# Altium PCB LimeSDR-Micro_1v0.PcbDoc (part 1 of 8) (continued)
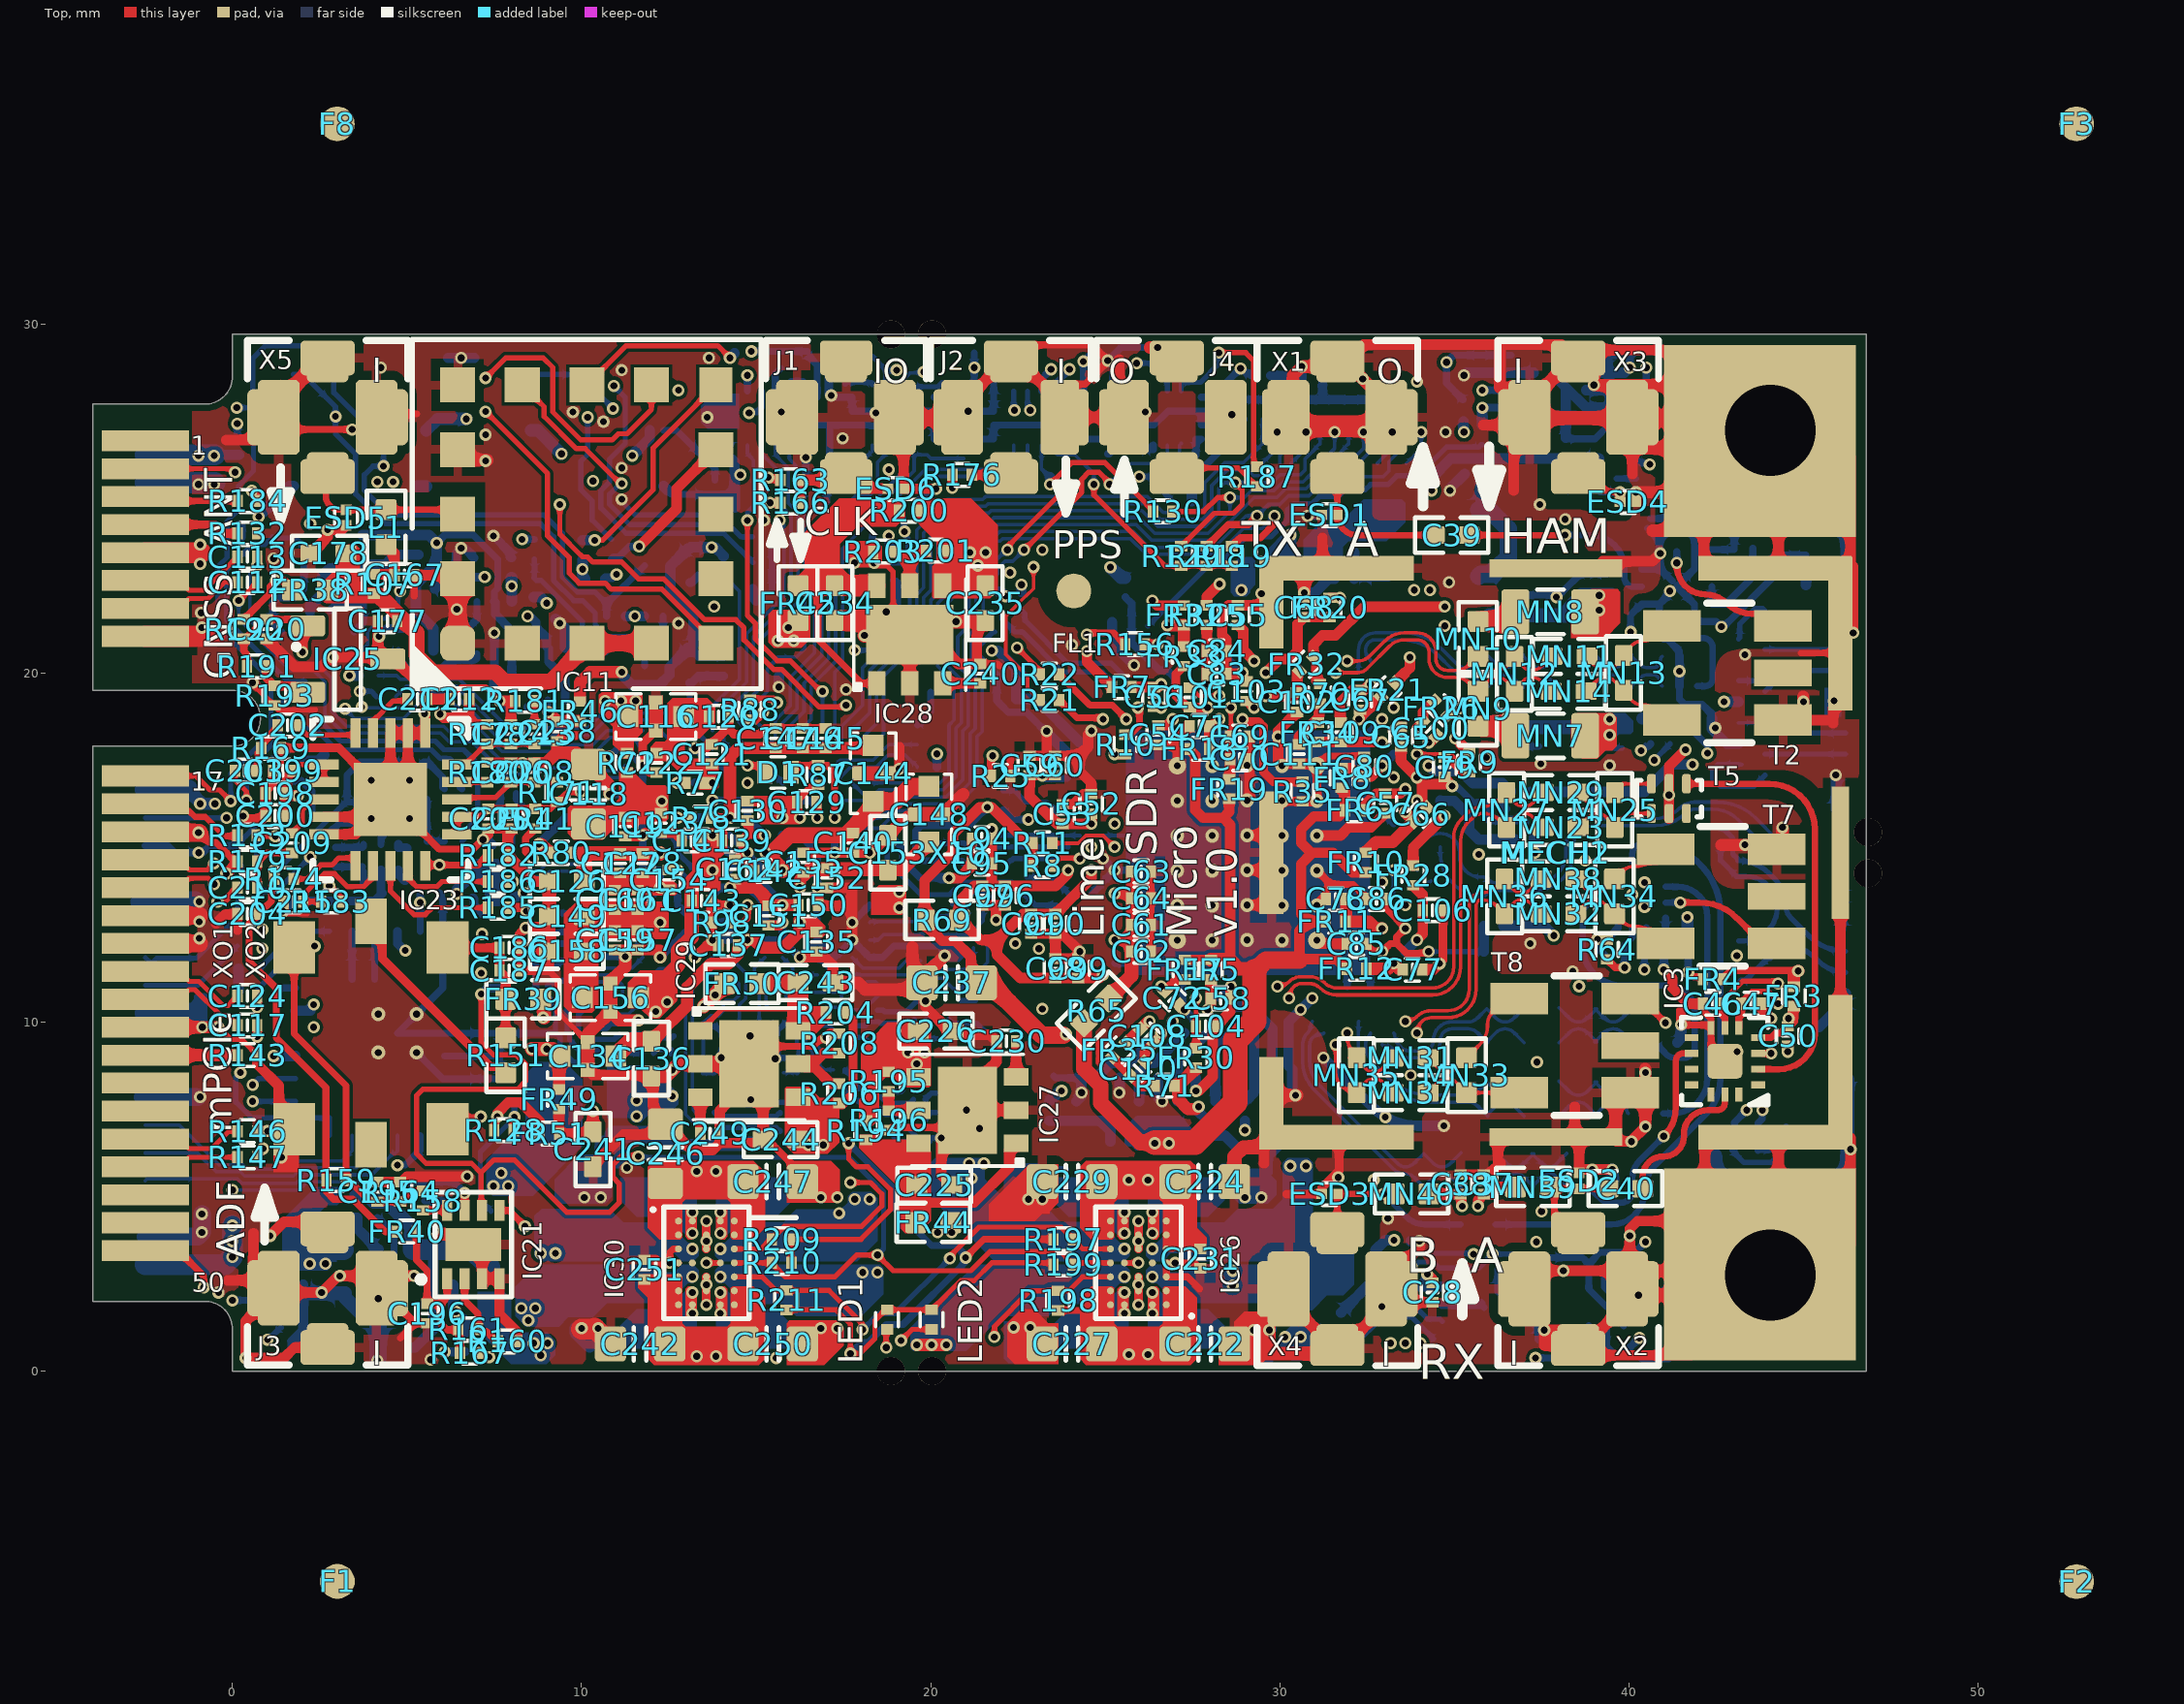
[diagram p0: Top view]
## Components (designator, comment, footprint, x,y, rotation, side; value= is the part's Value field where it differs from the comment) (continued)
C67 "1uF, 6.3V" CAP0201 32.3,19.225 r90 top value="1uF, 20%"
C68 "1uF, 6.3V" CAP0201 30.7,21.875 r90 top value="1uF, 20%"
C69 "1nF, 25V" CAP0201 28.855,18.18 r0 top
C70 "1uF, 6.3V" CAP0201 28.855,17.528 r0 top value="1uF, 20%"
C71 "1uF, 6.3V" CAP0201 27.7,18.475 r0 top value="1uF, 20%"
C72 "1uF, 6.3V" CAP0201 26.922,10.69 r315 top value="1uF, 20%"
C73 "1uF, 6.3V" CAP0201 24.595,8.4 r180 bottom value="1uF, 20%"
C74 "1uF, 6.3V" CAP0201 25.695,8.4 r180 bottom value="1uF, 20%"
C75 "1uF, 6.3V" CAP0201 26.795,8.4 r180 bottom value="1uF, 20%"
C76 "1uF, 6.3V" CAP0201 30.075,8.4 r0 bottom value="1uF, 20%"
C77 "1uF, 6.3V" CAP0201 33.8,11.5 r0 top value="1uF, 20%"
C78 "1uF, 6.3V" CAP0201 31.6,13.525 r0 top value="1uF, 20%"
C79 "1uF, 6.3V" CAP0201 34.725,17.3 r270 top value="1uF, 20%"
C80 "1uF, 6.3V" CAP0201 32.422,17.315 r270 top value="1uF, 20%"
C81 "1uF, 6.3V" CAP0201 24.175,7.45 r270 bottom value="1uF, 20%"
C82 "1uF, 6.3V" CAP0201 36,16.565 r270 bottom value="1uF, 20%"
C83 "1nF, 25V" CAP0201 28.189,19.975 r0 top
C84 "1uF, 6.3V" CAP0201 28.189,20.625 r0 top value="1uF, 20%"
C85 "1uF, 6.3V" CAP0201 32.197,12.24 r180 top value="1uF, 20%"
C86 "1uF, 6.3V" CAP0201 32.77,13.525 r180 top value="1uF, 20%"
C87 "1uF, 6.3V" CAP0201 36.125,12.015 r0 bottom value="1uF, 20%"
C88 "1uF, 6.3V" CAP0201 28.986,8.4 r180 bottom value="1uF, 20%"
C89 "1uF, 6.3V" CAP0201 25.475,21.45 r180 bottom value="1uF, 20%"
C90 "1nF, 25V" CAP0201 23.575,12.811 r270 top
C91 "1uF, 6.3V" CAP0201 22.875,12.811 r270 top value="1uF, 20%"
C92 "1nF, 25V" CAP0201 22.17,19.25 r180 bottom
C93 "1uF, 6.3V" CAP0201 22.17,20 r180 bottom value="1uF, 20%"
C94 "1nF, 25V" CAP0201 21.466,15.258 r180 top
C95 "1uF, 6.3V" CAP0201 21.466,14.541 r180 top value="1uF, 20%"
C96 "1nF, 25V" CAP0201 22.13,13.62 r270 top
C97 "1uF, 6.3V" CAP0201 21.475,13.62 r270 top value="1uF, 20%"
C98 "1nF, 25V" CAP0201 23.575,11.537 r90 top
C99 "1uF, 6.3V" CAP0201 24.225,11.537 r90 top value="1uF, 20%"
C100 "1uF, 6.3V" CAP0201 34.3,18.4 r315 top value="1uF, 20%"
C101 "1uF, 6.3V" CAP0201 27.425,19.3 r90 top value="1uF, 20%"
C102 "1uF, 6.3V" CAP0201 30.495,19.161 r270 top value="1uF, 20%"
C103 "1uF, 6.3V" CAP0201 29.05,19.475 r90 top value="1uF, 20%"
C104 "1uF, 6.3V" CAP0201 27.881,9.875 r0 top value="1uF, 20%"
C105 "1uF, 6.3V" CAP0201 27.875,8.4 r180 bottom value="1uF, 20%"
C106 "1uF, 6.3V" CAP0201 34.375,13.2 r0 top value="1uF, 20%"
C107 "1uF, 6.3V" CAP0201 36,15.505 r90 bottom value="1uF, 20%"
C108 "1uF, 6.3V" CAP0201 26.2,9.6 r315 top value="1uF, 20%"
C109 "1uF, 6.3V" CAP0201 31.75,18.3 r90 top value="1uF, 20%"
C110 "1uF, 6.3V" CAP0201 25.937,8.662 r45 top value="1uF, 20%"
C111 "1uF, 6.3V" CAP0201 30.55,17.675 r270 top value="1uF, 20%"
C112 "220nF, 10V" CAP0201 0.425,22.6 r0 top
C113 "220nF, 10V" CAP0201 0.425,23.325 r0 top
C114 "220nF, 10V" CAP0201 4.4,19.325 r0 bottom
C115 "220nF, 10V" CAP0201 3.9,19.925 r0 bottom
C116 "1uF, 6.3V" CAP0603_FEEDTHROUGH 12.125,18.75 r0 top
C117 "220nF, 10V" CAP0201 0.425,9.903 r0 top
C118 "47uF, 6.3V" CAP0603#1 10.2,16.525 r270 top
C119 "4.7uF, 6.3V" CAP0201 11.25,15.6 r90 top
C120 "2.2uF, 6.3V" CAP0201 13.925,18.75 r180 top
C121 "4.7uF, 6.3V" CAP0201 13.725,17.675 r270 top
C122 "4.7uF, 6.3V" CAP0201 12.15,17.425 r90 top
C123 "3.3nF, 16V" CAP0201 12.275,15.7 r270 top
C124 "220nF, 10V" CAP0201 0.425,10.747 r0 top
C125 "100nF, 6.3V" CAP0201 1.65,21.175 r180 bottom
C126 "10uF, 10V" CAP0402#1 9.575,14.025 r0 top
C127 "1uF, 6.3V" CAP0201 11.1,14.55 r270 top value="1uF, 20%"
C128 "220nF, 10V" CAP0201 11.75,14.55 r270 top
C129 "4.7uF, 6.3V" CAP0201 16.45,16.3 r180 top
C130 "4.7uF, 6.3V" CAP0201 14.75,16.05 r90 top
C131 "100nF, 6.3V" CAP0201 3.225,21.175 r0 bottom
C132 "100pF, 50V" CAP0201 4.675,23.67 r90 bottom
C133 "100nF, 6.3V" CAP0201 5.325,23.67 r270 bottom
C134 "1uF, 6.3V" CAP0603_FEEDTHROUGH 10.175,9.025 r0 top
C135 "2.2uF, 6.3V" CAP0201 16.725,12.3 r90 top
C136 "10uF, 10V" CAP0402#1 12,8.95 r90 top
C137 "4.7uF, 6.3V" CAP0201 14.2,12.2 r0 top
C138 "1uF, 6.3V" CAP0201 1.265,17.198 r90 bottom value="1uF, 20%"
C139 "4.7uF, 6.3V" CAP0201 14.3,15.2 r180 top
C140 "4.7uF, 6.3V" CAP0201 17.775,15.13 r90 top
C141 "4.7uF, 6.3V" CAP0201 13.15,15.2 r0 top
C142 "4.7uF, 6.3V" CAP0201 15.225,14.325 r0 top
C143 "4.7uF, 6.3V" CAP0201 13.44,13.47 r180 top
C144 "1uF, 6.3V" CAP0603_FEEDTHROUGH 18.35,17.125 r90 top
C145 "2.2uF, 6.3V" CAP0201 16.988,18.13 r270 top
C146 "4.7uF, 6.3V" CAP0201 16.338,18.13 r270 top
C147 "4.7uF, 6.3V" CAP0201 15.563,18.13 r270 top
C148 "1uF, 6.3V" CAP0603_FEEDTHROUGH 19.95,15.95 r270 top
C149 "10uF, 10V" CAP0402#1 9.575,13.025 r0 top
C150 "1uF, 6.3V" CAP0201 16.495,13.35 r0 top value="1uF, 20%"
C151 "100nF, 6.3V" CAP0201 15.35,13.05 r270 top
C152 "2.2uF, 6.3V" CAP0201 17.025,14.125 r90 top
C153 "10uF, 10V" CAP0402#1 18.775,14.85 r270 top
C154 "4.7uF, 6.3V" CAP0201 12.5,14.075 r90 top
C155 "4.7uF, 6.3V" CAP0201 16.35,14.57 r270 top
C156 "1uF, 6.3V" CAP0603_FEEDTHROUGH 10.825,10.7 r180 top
C157 "2.2uF, 6.3V" CAP0201 11.6,12.35 r90 top
C158 "10uF, 10V" CAP0402#1 9.575,12.025 r0 top
C159 "4.7uF, 6.3V" CAP0201 10.95,12.35 r90 top
C160 "4.7uF, 6.3V" CAP0201 10.95,13.5 r270 top
C161 "4.7uF, 6.3V" CAP0201 11.6,13.5 r270 top
C162 "4.7uF, 6.3V" CAP0201 14.4,14.375 r270 top
C163 "100nF, 6.3V" CAP0201 28.925,27.55 r90 bottom
C164 "100nF, 6.3V" CAP0201 16.75,29.175 r0 bottom
C165 "100nF, 6.3V" CAP0201 30.94,28.45 r0 bottom
C166 "100nF, 6.3V" CAP0201 21.525,29.175 r0 bottom
C167 "1nF, 25V" CAP0201 4.925,22.8 r0 top
C168 "100nF, 6.3V" CAP0201 40.105,0.4 r0 bottom
C169 "22pF, 50V" CAP0201 10.38,22.675 r0 bottom
C170 "22pF, 50V" CAP0201 17.8,29.175 r180 bottom
C171 "22pF, 50V" CAP0201 14.1,29.175 r180 bottom
C172 "100nF, 6.3V" CAP0201 16.75,25.55 r0 bottom
C173 "100nF, 6.3V" CAP0201 24.925,29.175 r0 bottom
C174 "100nF, 6.3V" CAP0201 14.105,24.737 r0 bottom
C175 "100nF, 6.3V" CAP0201 29.45,28.525 r0 bottom
C176 "22pF, 50V" CAP0201 6.675,0.83 r90 bottom
C177 "100pF, 50V" CAP0201 4.44,21.485 r0 top
C178 "4.7uF, 6.3V" CAP0402#1 2.75,23.425 r0 top
C179 "100nF, 6.3V" CAP0201 35.73,28.82 r270 bottom
C180 "100nF, 6.3V" CAP0201 7.125,4.575 r180 bottom
C181 "100nF, 6.3V" CAP0201 5.655,13.705 r0 bottom
C182 "100nF, 6.3V" CAP0201 4.5,16.575 r90 bottom
C183 "100nF, 6.3V" CAP0201 5.2,17.45 r180 bottom
C184 "100nF, 6.3V" CAP0201 6.925,23.025 r90 bottom
C185 "100nF, 6.3V" CAP0201 6.1,23.175 r180 bottom
C186 "100nF, 6.3V" CAP0201 7.93,12.125 r0 top
C187 "1uF, 6.3V" CAP0201 7.925,11.475 r0 top value="1uF, 20%"
C188 "100nF, 6.3V" CAP0201 8,23.025 r90 bottom
C189 "100nF, 6.3V" CAP0201 7.75,19.725 r0 bottom
C190 "100nF, 6.3V" CAP0201 8.175,19.025 r180 bottom
C191 "100nF, 6.3V" CAP0201 8.975,21.55 r180 bottom
C192 "1nF, 25V" CAP0201 3.28,16.02 r90 bottom
C193 "0R" CAP0201 8.65,23.55 r270 bottom
C194 "100nF, 6.3V" CAP0201 5.5,5.155 r270 bottom
C195 "100nF, 6.3V" CAP0201 4.15,5.135 r90 top
C196 "100nF, 6.3V" CAP0201 5.575,1.65 r270 top
C197 "1nF, 25V" CAP0201 19.425,24.625 r225 bottom
C198 "100pF, 50V" CAP0201 1.225,16.55 r0 top
C199 "100pF, 50V" CAP0201 1.445,17.2 r0 top
C200 "100pF, 50V" CAP0201 1.225,15.9 r0 top
C201 "100nF, 6.3V" CAP0201 8,15.825 r270 top
C202 "100pF, 50V" CAP0201 1.575,18.5 r0 top
C203 "100pF, 50V" CAP0201 0.35,17.2 r0 top
C204 "100pF, 50V" CAP0201 0.425,13.1 r0 top
C205 "100pF, 50V" CAP0201 7.325,15.825 r90 top
C206 "100pF, 50V" CAP0201 7.975,17.15 r90 top
C207 "100nF, 6.3V" CAP0201 6.875,13.825 r270 bottom
C208 "100nF, 6.3V" CAP0201 8.65,17.15 r270 top
C209 "1nF, 25V" CAP0201 1.7,15.125 r270 top
C210 "1nF, 25V" CAP0201 0.425,13.85 r180 top
C211 "100pF, 50V" CAP0201 5.3,19.25 r180 top
C212 "22pF, 50V" CAP0201 6.5,19.25 r0 top
C213 "22pF, 50V" CAP0201 8.65,18.25 r270 top
C214 "22pF, 50V" CAP0201 7.975,18.25 r270 top
C215 "22pF, 50V" CAP0201 1.745,13.45 r180 top
C216 "4.7uF, 6.3V" CAP0402#2 6.325,2.975 r90 bottom
C217 "4.7uF, 6.3V" CAP0402#2 2.01,2.975 r90 bottom
C218 "1uF, 10V" CAP0402#2 12.175,7.4 r90 bottom
C219 "10uF, 10V" CAP0603#2 9.975,6.625 r180 bottom
C220 "100nF, 6.3V" CAP0201 0.975,21.257 r270 top
C221 "100pF, 50V" CAP0201 2,0.675 r0 bottom
C222 "10uF, 10V" CAP0603#1 27.85,0.775 r180 top
C223 "47uF, 6.3V" CAP0603#2 22.6,1.55 r90 bottom
C224 "10uF, 10V" CAP0603#1 27.85,5.425 r180 top
C225 "4.7uF, 6.3V" CAP0402#1 20.1,5.325 r180 top
C226 "4.7uF, 6.3V" CAP0402#1 20.146,9.736 r180 top
C227 "10uF, 10V" CAP0603#1 24.05,0.775 r0 top
C228 "47uF, 6.3V" CAP0603#2 29.3,1.55 r90 bottom
C229 "10uF, 10V" CAP0603#1 24.05,5.425 r0 top
C230 "100pF, 50V" CAP0201 22.17,9.445 r0 top
C231 "100nF, 6.3V" CAP0201 27.725,3.22 r270 top
C232 "47uF, 6.3V" CAP0603#2 22.6,4.65 r270 bottom
C233 "47uF, 6.3V" CAP0603#2 29.3,4.65 r270 bottom
C234 "4.7uF, 6.3V" CAP0402#1 17.25,22 r90 top
C235 "4.7uF, 6.3V" CAP0402#1 21.565,22 r90 top
C236 "4.7uF, 6.3V" CAP0402#2 31.775,4.225 r270 bottom
C237 "10uF, 10V" CAP0603#1 20.6,11.125 r0 top
C238 "1uF, 6.3V" CAP0201 9.3,18.325 r270 top value="1uF, 20%"
C239 "1uF, 6.3V" CAP0201 31.75,0.7 r0 bottom value="1uF, 20%"
C240 "100pF, 50V" CAP0201 21.42,19.98 r270 top
C241 "4.7uF, 6.3V" CAP0402#1 10.325,6.35 r90 top
C242 "10uF, 10V" CAP0603#1 11.675,0.775 r0 top
C243 "4.7uF, 6.3V" CAP0402#1 16.7,11.125 r180 top
C244 "4.7uF, 6.3V" CAP0402#1 15.7,6.635 r0 top
C245 "47uF, 6.3V" CAP0603#2 16.925,4.65 r270 bottom
C246 "10uF, 10V" CAP0603#1 12.4,6.225 r270 top
C247 "10uF, 10V" CAP0603#1 15.475,5.425 r180 top
C248 "47uF, 6.3V" CAP0603#2 10.225,4.65 r270 bottom
C249 "100pF, 50V" CAP0201 13.68,6.805 r180 top
C250 "10uF, 10V" CAP0603#1 15.475,0.775 r180 top
C251 "100nF, 6.3V" CAP0201 11.8,2.905 r90 top
C252 "47uF, 6.3V" CAP0603#2 16.925,1.55 r90 bottom
C253 "47uF, 6.3V" CAP0603#2 10.225,1.55 r90 bottom
C254 "1uF, 6.3V" CAP0201 35.575,25.7 r180 bottom value="1uF, 20%"
C255 "1uF, 6.3V" CAP0201 31.575,24.4 r90 bottom value="1uF, 20%"
D1 "RB521S-30L2-TP" RB521S-30L2-TP_DFN1006 15.625,17.15 r180 top
ESD1 "ESD8472" ESD8472_X3DFN2 31.425,24.525 r180 top
ESD2 "ESD8472" ESD8472_X3DFN2 38.575,5.45 r90 top
ESD3 "ESD8472" ESD8472_X3DFN2 31.425,5.075 r180 top
ESD4 "ESD8472" ESD8472_X3DFN2 39.975,24.9 r0 top
ESD5 "ESD8472" ESD8472_X3DFN2 3.25,24.45 r270 top
ESD6 "ESD8472" ESD8472_X3DFN2 19,25.275 r0 top
F1 "Fiducial" Fiducial 3.005,-6.025 r0 top locked
F2 "Fiducial" Fiducial 52.825,-6.03 r0 top locked
F3 "Fiducial" Fiducial 52.825,35.73 r0 top locked
F4 "Fiducial" Fiducial 3,35.73 r180 bottom locked
F5 "Fiducial" Fiducial 3.005,-6.025 r180 bottom locked
F6 "Fiducial" Fiducial 52.825,-6.03 r180 bottom locked
F7 "Fiducial" Fiducial 52.825,35.73 r180 bottom locked
F8 "Fiducial" Fiducial 3,35.73 r0 top locked
FL1 "Fiducial" Fiducial_local 24.1,22.35 r0 top
FL2 "Fiducial" Fiducial_local 24.1,22.35 r180 bottom
FR1 "600R, 0.27A" RES0201 35.25,27.55 r90 bottom value=600R@100MHz
FR2 "600R, 0.27A" RES0201 45.075,23.1 r90 bottom value=600R@100MHz
FR3 "600R, 0.27A" RES0201 44.725,10.735 r90 top value=600R@100MHz
FR4 "600R, 0.27A" RES0201 42.4,11.225 r0 top value=600R@100MHz
FR5 "600R, 0.27A" RES0201 28.025,11.5 r90 top value=600R@100MHz
FR6 "600R, 0.27A" RES0201 32.147,16.065 r180 top value=600R@100MHz
FR7 "600R, 0.27A" RES0201 25.472,19.595 r180 top value=600R@100MHz
FR8 "600R, 0.27A" RES0201 31.772,16.99 r270 top value=600R@100MHz
FR9 "600R, 0.27A" RES0201 35.428,17.445 r90 top value=600R@100MHz
FR10 "600R, 0.27A" RES0201 32.459,14.57 r270 top value=600R@100MHz
FR11 "600R, 0.27A" RES0201 31.6,12.875 r180 top value=600R@100MHz
FR12 "600R, 0.27A" RES0201 32.2,11.525 r180 top value=600R@100MHz
FR13 "600R, 0.27A" RES0201 29.8,7.45 r270 bottom value=600R@100MHz
FR14 "600R, 0.27A" RES0201 27.075,7.45 r270 bottom value=600R@100MHz
FR15 "600R, 0.27A" RES0201 25.97,7.45 r270 bottom value=600R@100MHz
FR16 "600R, 0.27A" RES0201 25.425,6.575 r0 bottom value=600R@100MHz
FR17 "600R, 0.27A" RES0201 27.275,11.5 r90 top value=600R@100MHz
FR18 "600R, 0.27A" RES0201 27.7,17.825 r180 top value=600R@100MHz
FR19 "600R, 0.27A" RES0201 28.55,16.675 r270 top value=600R@100MHz
FR20 "600R, 0.27A" RES0201 31.425,21.875 r90 top value=600R@100MHz
FR21 "600R, 0.27A" RES0201 33.097,19.515 r45 top value=600R@100MHz
FR22 "600R, 0.27A" RES0201 36.905,16.595 r0 bottom value=600R@100MHz
FR23 "600R, 0.27A" RES0201 29,7.45 r270 bottom value=600R@100MHz
FR24 "600R, 0.27A" RES0201 36.125,12.75 r0 bottom value=600R@100MHz
FR25 "600R, 0.27A" RES0201 27.909,21.655 r90 top value=600R@100MHz
FR26 "600R, 0.27A" RES0201 34.625,19 r315 top value=600R@100MHz
FR27 "600R, 0.27A" RES0201 37.025,15.205 r180 bottom value=600R@100MHz
FR28 "600R, 0.27A" RES0201 33.82,14.2 r270 top value=600R@100MHz
FR29 "600R, 0.27A" RES0201 28.15,7.45 r270 bottom value=600R@100MHz
FR30 "600R, 0.27A" RES0201 27.601,8.97 r270 top value=600R@100MHz
FR31 "600R, 0.27A" RES0201 27.25,21.65 r270 top value=600R@100MHz
FR32 "600R, 0.27A" RES0201 30.768,20.248 r45 top value=600R@100MHz
FR33 "600R, 0.27A" RES0201 27.25,20.475 r90 top value=600R@100MHz
FR34 "600R, 0.27A" RES0201 31.1,18.3 r270 top value=600R@100MHz
FR35 "600R, 0.27A" RES0201 25.4,9.2 r225 top value=600R@100MHz
FR36 "600R, 0.27A" RES0201 10.025,23.525 r90 bottom value=600R@100MHz
FR37 "600R, 0.27A" RES0201 10.85,23.55 r270 bottom value=600R@100MHz
FR38 "220R, 0.9A" RES0402#1 2.225,22.375 r0 top
FR39 "220R, 0.9A" RES0402#1 8.325,10.65 r0 top
FR40 "600R, 0.27A" RES0201 4.995,3.995 r0 top value=600R@100MHz
FR41 "600R, 0.27A" RES0201 8.675,15.825 r270 top value=600R@100MHz
FR42 "220R, 0.9A" RES0402#2 7.375,2.475 r90 bottom
FR43 "600R, 2A" RES0805#1 10.125,8 r180 bottom
FR44 "220R, 0.9A" RES0402#1 20.075,4.25 r180 top
FR45 "220R, 0.9A" RES0402#1 16.2,22 r90 top
FR46 "600R, 0.27A" RES0201 9.95,18.9 r270 top
FR47 "220R, 0.9A" RES0402#2 30.575,1.55 r270 bottom
FR48 "220R, 0.9A" RES0402#2 31.75,2.175 r270 bottom
FR49 "600R, 0.27A" RES0201 9.355,7.786 r270 top
FR50 "220R, 0.9A" RES0402#1 14.6,11.1 r0 top
FR51 "600R, 0.27A" RES0201 9.075,6.8 r0 top
IC1 "LMS7002M" LMS7002M_V5_LESS_SILK 29.265,14.85 r180 bottom locked
IC2 "M24128" M24128-DFMC6TG 36.05,1.675 r180 bottom
IC3 "SKY13414-485LF" SKY13414-485LF_RF_SW_QFN14 42.75,8.875 r180 top
IC4 "SKY13414-485LF" SKY13414-485LF_RF_SW_QFN14 40.1,13.65 r180 bottom
IC5 "SKY13330-397LF" SKY13330-397LF_RF_SW_QFN12 41.375,22.475 r0 bottom
IC6 "LA9310X7S11AA" LA9310X7S11AA 14.751,14.85 r0 bottom locked
IC7 "SN65LVDS1" SOT23-5_NO_SILK 2.45,22.95 r180 bottom locked
IC8 "SN74AVC4T774" SN74AVC4T774_v1 15.35,27.3 r180 bottom locked
IC9 "TMP1075NDRLR" TMP1075NDRLR_TEMPERATURE_SENSOR_SOT563 39.35,2.05 r270 bottom locked
IC10 "SN74AVC4T774" SN74AVC4T774_v1 26.575,27.3 r180 bottom locked
IC11 "GNSS M10578-A3" M10578-A3_V2 10.15,24.55 r90 top locked
IC12 "SN74AVC4T774" SN74AVC4T774_v1 18.925,27.3 r180 bottom locked
IC13 "SN74AVC4T774" SN74AVC4T774_v1 22.975,27.3 r180 bottom locked
IC14 "M24512" M24128-DFMC6TG 38.025,28.35 r180 bottom
IC15 "MCP23017-E/ML" MCP23017-E/ML_QFN28 4.725,9.675 r270 bottom locked
IC16 "SN74AVC1T45DRLR" SN74AVC1T45DRLR_SOT-5X3 6.075,15.925 r270 bottom
IC17 "SN74AVC1T45DRLR" SN74AVC1T45DRLR_SOT-5X3 5.25,21.4 r90 bottom
IC18 "SN74AVC1T45DRLR" SN74AVC1T45DRLR_SOT-5X3 7.5,21.3 r90 bottom
IC19 "74LVC1G3157FZ4" 74LVC1G3157FZ4_SPDT_SW_DFN1410-6 4.25,14.725 r90 bottom
IC20 "SN74AVC1T45DRLR" SN74AVC1T45DRLR_SOT-5X3 9.525,19.975 r270 bottom
IC21 "AD5693RACPZ" AD5693RACPZ-1RL7_DAC_8LFCSP 6.9,3.625 r90 top
IC22 "74LVC1G3157FZ4" 74LVC1G3157FZ4_SPDT_SW_DFN1410-6 18.55,23.15 r0 bottom
IC23 "ADF4002" ADF4002 4.525,16.375 r270 top
IC24 "LD39100PUR" LD39100PUR 4.175,2.075 r180 bottom
IC25 "LM4040" SOT23-3_v3 3.3,20.4 r0 top
IC26 "LP8758A2E3YFFR" LP8758A1E0YFFR_QUAD_DC-DC_35DSBGA 25.95,3.1 r180 top
IC27 "LD39100PUR" LD39100PUR 21.05,7.475 r90 top
IC28 "LD39100PUR" LD39100PUR 19.4,21.1 r0 top
IC29 "LD39100PUR" LD39100PUR 14.8,8.8 r270 top
IC30 "LP8758A2E3YFFR" LP8758A1E0YFFR_QUAD_DC-DC_35DSBGA 13.575,3.1 r0 top
IC31 "AP7330" AP7330-W5-7_SOT25 34.4,23.725 r180 bottom
J1 "U.FL/MMCX" MMCX_UFL_conn_u_v2#1 17.575,27.325 r180 top locked
J2 "U.FL/MMCX" MMCX_UFL_conn_u_v2#2 22.3,27.325 r180 top locked
J3 "U.FL/MMCX" MMCX_UFL_conn_u_v2#3 2.725,2.375 r0 top locked
J4 "U.FL/MMCX" MMCX_UFL_conn_u_v2#4 27.05,27.325 r180 top locked
L1 "47nH" RES0402#1 4.4,24.175 r270 top
L2 "0.47uH, 4A" IND0806 24.275,1.65 r90 bottom
L3 "0.47uH, 4A" IND0806 27.625,1.65 r90 bottom
L4 "0.47uH, 4A" IND0806 24.275,4.55 r270 bottom
L5 "0.47uH, 4A" IND0806 27.625,4.55 r270 bottom
L6 "0.47uH, 4A" IND0806 15.225,4.55 r270 bottom
L7 "0.47uH, 4A" IND0806 11.925,4.55 r270 bottom
L8 "0.47uH, 4A" IND0806 15.225,1.65 r90 bottom
L9 "0.47uH, 4A" IND0806 11.925,1.65 r90 bottom
LED1 "LED_green" LED0201 18.75,1.475 r270 top
LED2 "LED_green" LED0201 20.025,1.475 r270 top
MECH1 "BMI-S-202-C" BMI-S-202-C_RF_SHIELD_COVER 37.868,14.85 r0 top
MECH2 "BMI-S-202-F" BMI-S-202-F_RF_SHIELD_FRAME_v3 37.909,14.85 r0 top locked
MN1 "10 nH, 5%" RES0402#2 35.9,19.05 r270 bottom
MN2 "10 nH, 5%" RES0402#2 35.9,21.05 r90 bottom
MN3 "10 pF, 50V" CAP0402#2 38.5,20.55 r0 bottom
MN4 "0.5pF" CAP0402#2 40.05,20.05 r270 bottom
MN5 "1pF" CAP0402#2 36.95,20.05 r90 bottom
MN6 "10 pF, 50V" CAP0402#2 38.5,19.55 r180 bottom
MN7 "100uH" RES0805#2 37.75,18.2 r0 top
MN8 "100uH" RES0805#2 37.75,21.75 r0 top
MN9 "0R" RES0402#1 35.675,18.975 r270 top
MN10 "0R" RES0402#1 35.675,20.975 r90 top
MN11 "100nF, 16V" CAP0402#1 38.3,20.475 r180 top
MN12 "1pF, 50V" CAP0402#1 36.725,19.975 r270 top
MN13 "2pF, 50V" CAP0402#1 39.85,20 r90 top
MN14 "100nF, 16V" CAP0402#1 38.275,19.475 r0 top
MN15 "470pF, 50V" CAP0402#2 37.502,10.405 r180 bottom
MN16 "470pF, 50V" CAP0402#2 35.697,6.253 r180 bottom
MN17 "10 nH, 5%" RES0402#2 37.248,5.753 r90 bottom
MN18 "10 nH, 5%" RES0402#2 39.052,9.905 r90 bottom
MN19 "1pF, 50V" CAP0402#2 34.147,5.753 r90 bottom
MN20 "1pF, 50V" CAP0402#2 35.952,9.905 r90 bottom
MN21 "470pF, 50V" CAP0402#2 35.697,5.253 r180 bottom
MN22 "470pF, 50V" CAP0402#2 37.502,9.405 r180 bottom
MN23 "10 pF, 50V" CAP0402#1 38.048,15.575 r180 top
MN24 "10 pF, 50V" CAP0402#2 37.502,8.305 r180 bottom
MN25 "0.5pF, 50V" CAP0402#1 39.598,16.075 r270 top
MN26 "0.5pF, 50V" CAP0402#2 39.052,7.805 r90 bottom
MN27 "1pF, 50V" CAP0402#1 36.498,16.075 r270 top
MN28 "1pF, 50V" CAP0402#2 35.952,7.805 r90 bottom
MN29 "10 pF, 50V" CAP0402#1 38.048,16.575 r180 top
MN30 "10 pF, 50V" CAP0402#2 37.502,7.305 r180 bottom
MN31 "100pF, 50V" CAP0402#1 33.75,8.975 r180 top
MN32 "100pF, 50V" CAP0402#1 37.988,13.1 r180 top
MN33 "10 nH, 5%" RES0402#1 35.35,8.475 r90 top
MN34 "10 nH, 5%" RES0402#1 39.588,13.6 r270 top
MN35 "0.8pF" CAP0402#1 32.2,8.475 r90 top
MN36 "0.8pF" CAP0402#1 36.438,13.6 r270 top
MN37 "100pF, 50V" CAP0402#1 33.75,7.975 r180 top
MN38 "100pF, 50V" CAP0402#1 37.988,14.1 r180 top
MN39 "47nH" RES0402#1 37.25,5.275 r180 top
MN40 "47nH" RES0402#1 33.775,5.075 r0 top
MN41 "47nH" RES0402#2 39.175,25.675 r90 bottom
R1 "243R, 1%" RES01005 13.46,8.36 r90 bottom
R2 "220R, 1%" RES01005 13.65,9.9 r0 bottom
R3 "82R, 1%" RES01005 14,9.425 r90 bottom
R4 "220R, 1%" RES01005 14.35,9.9 r180 bottom
R5 "243R, 1%" RES01005 14.54,8.36 r90 bottom
R6 "100R, 1%" RES0201 42.625,15.325 r270 bottom
R7 "0R" RES0201 22.75,13.87 r90 bottom
R8 "10k, 1%" RES0201 23.2,14.475 r0 top
R9 "100R, 1%" RES0201 35.85,13.875 r270 bottom
R10 "10k, 1%" RES0201 25.575,17.95 r270 top
R11 "10k, 1%" RES0201 23.2,15.125 r180 top
R12 "10k, 1%" RES0201 21.925,14.525 r180 bottom
R13 "10k, 1%" RES0201 20.95,14.84 r270 bottom
R14 "243R, 1%" RES01005 16.165,8.36 r90 bottom
R15 "0R" RES0402#2 20.075,14.625 r90 bottom
R16 "220R, 1%" RES01005 16,9.975 r180 bottom
R17 "82R, 1%" RES01005 15.625,9.475 r90 bottom
R18 "220R, 1%" RES01005 15.25,9.975 r0 bottom
R19 "243R, 1%" RES01005 15.085,8.36 r90 bottom
R20 "47R, 1%" RES0201 21.95,22.05 r90 bottom
R21 "47R, 1%" RES0201 23.4,19.225 r180 top
R22 "47R, 1%" RES0201 23.4,19.957 r180 top
R23 "47R, 1%" RES0201 22.6,22.05 r90 bottom
R24 "0R" RES0201 22.075,16.35 r270 bottom
R25 "10k, 1%" RES0201 22,17.05 r180 top
R26 "0R" RES0201 37.475,3.25 r180 bottom
R27 "220R, 1%" RES01005 11.24,9.65 r0 bottom
R28 "0R" RES01005 10.125,10.585 r270 bottom
R29 "1k, 1%" RES01005 10.25,9.675 r90 bottom
R30 "0R" RES0201 35.8,26.825 r270 bottom
R31 "100R, 1%" RES01005 12.44,9.375 r270 bottom
R32 "1k, 1%" RES01005 10.075,9.025 r90 bottom
R33 "220R, 1%" RES01005 11.24,9.1 r0 bottom
R34 "0R" RES01005 9.575,10.585 r270 bottom
R35 "10k, 1%" RES0201 30.65,16.6 r270 top
R36 "220R, 1%" RES01005 15.85,6.865 r0 bottom
R37 "0R" RES01005 13.625,6.865 r0 bottom
R38 "1k, 1%" RES01005 15.25,6.81 r270 bottom
R39 "100R, 1%" RES01005 17.025,7.14 r90 bottom
R40 "1k, 1%" RES01005 15.275,7.47 r270 bottom
R41 "220R, 1%" RES01005 15.85,7.415 r0 bottom
R42 "0R" RES01005 13.625,7.415 r0 bottom
R43 "220R, 1%" RES01005 19.675,7.785 r0 bottom
R44 "0R" RES01005 17.375,8.635 r0 bottom
R45 "1k, 1%" RES01005 18.375,8.015 r90 bottom
R46 "100R, 1%" RES01005 21,8.01 r270 bottom
R47 "1k, 1%" RES01005 18.375,7.355 r90 bottom
R48 "220R, 1%" RES01005 19.675,7.235 r0 bottom
R49 "0R" RES01005 17.375,8.085 r0 bottom
R50 "220R, 1%" RES01005 19.7,9.525 r0 bottom
R51 "0R" RES01005 17.575,9.45 r0 bottom
R52 "1k, 1%" RES01005 18.475,9.275 r270 bottom
R53 "3k, 1%" RES0201 33.025,3.075 r180 bottom
R54 "3k, 1%" RES0201 33.85,2.15 r90 bottom
R55 "100R, 1%" RES01005 20.9,9.8 r90 bottom
R56 "1k, 1%" RES01005 18.475,10.175 r270 bottom
R57 "220R, 1%" RES01005 19.7,10.075 r0 bottom
R58 "0R" RES01005 17.575,10 r0 bottom
R59 "1k, 1%" RES0201 40.2,26.95 r90 bottom
R60 "1k, 1%" RES0201 40.9,17.975 r180 bottom
R61 "1k, 1%" RES0201 40.895,18.7 r180 bottom
R62 "4.7k, 1%" RES0201 40.2,25.85 r270 bottom
R63 "4.7k, 1%" RES0201 42.095,18.7 r0 bottom
R64 "4.7k, 1%" RES0201 39.375,12.075 r90 top
R65 "0R" RES0402#1 24.746,10.321 r45 top
R66 "10R, 1%" RES0201 23.4,7.451 r270 bottom
R67 "10R, 1%" RES0201 24.875,7.45 r270 bottom
R68 "0R" RES0201 25.575,22.45 r90 bottom
R69 "0R" RES0402#1 20.325,12.925 r0 top
R70 "10R, 1%" RES0201 31.15,19.4 r90 top
R71 "10R, 1%" RES0201 26.7,8.175 r180 top
R72 "0R33, 1%" RES0201 11.3,17.425 r90 top
R73 "0R" RES0201 14.925,25.05 r270 bottom
R74 "10k, 1%" RES0201 2.325,22.425 r180 bottom
R75 "0R" RES0201 2.05,23.325 r270 bottom
R76 "47R, 1%" RES0201 19.62,18.23 r270 bottom
R77 "698R, 1%" RES0201 13.251,16.85 r0 top
R78 "200R, 1%" RES0201 13.425,15.85 r0 top
R79 "6.8R, 1%" RES0201 7.625,15.95 r270 bottom
R80 "5R1, 1%" RES0201 9.413,14.85 r180 top
R81 "47R, 1%" RES0201 0.225,23.625 r90 bottom
R82 "6.8R, 1%" RES0201 8.275,15.95 r270 bottom
R83 "1k, 1%" RES0201 19.9,17.3 r0 bottom
R84 "0R" RES0201 2.5,21.775 r0 bottom
R85 "10k, 1%" RES0201 14.1,25.525 r180 bottom
R86 "10k, 1%" RES0201 1.975,17.2 r270 bottom
R87 "10k, 1%" RES0201 16.775,17.075 r90 top
R88 "0R" RES0201 14.825,18.95 r270 top
R89 "0R" RES0201 0.99,16.105 r90 bottom
R90 "47R, 1%" RES01005 9.719,13.13 r180 bottom
R91 "47R, 1%" RES01005 9.724,12.575 r180 bottom
R92 "47R, 1%" RES01005 9.615,11.2 r180 bottom
R93 "47R, 1%" RES01005 9.615,11.775 r180 bottom
R94 "47R, 1%" RES01005 19.875,11.25 r0 bottom
R95 "47R, 1%" RES01005 19.875,11.75 r0 bottom
R96 "47R, 1%" RES01005 19.96,13.05 r0 bottom
R97 "47R, 1%" RES01005 19.96,12.5 r0 bottom
R98 "2.67k, 1%" RES0201 14,12.85 r180 top
R99 "0R" RES01005 9.005,13.295 r90 bottom
R100 "0R" RES01005 9.01,12.41 r270 bottom
R101 "0R" RES01005 8.855,11.05 r180 bottom
R102 "0R" RES01005 8.855,11.6 r180 bottom
R103 "0R" RES01005 20.865,10.785 r270 bottom
R104 "0R" RES01005 20.865,11.665 r90 bottom
R105 "0R" RES01005 20.625,13.215 r90 bottom
R106 "0R" RES01005 20.625,12.335 r270 bottom
R107 "15R, 1%" RES0201 4.05,22.55 r270 top
R108 "10k, 1%" RES0201 20.95,26.425 r270 bottom
R109 "10k, 1%" RES0201 17.875,25.55 r0 bottom
R110 "10k, 1%" RES0201 33.7,27.55 r270 bottom
R111 "10k, 1%" RES0201 32.05,27.55 r270 bottom
R112 "10k, 1%" RES0201 30.4,27.55 r270 bottom
R113 "10k, 1%" RES0201 31.225,27.55 r270 bottom
R114 "10k, 1%" RES0201 32.875,27.55 r270 bottom
R115 "10k, 1%" RES0201 26.675,25.575 r180 bottom
R116 "10k, 1%" RES0201 16.75,24.9 r180 bottom
R117 "10k, 1%" RES0201 29.575,27.55 r270 bottom
R118 "0R" RES0201 27.9,23.35 r270 top
R119 "0R" RES0201 28.625,23.35 r270 top
R120 "3k3, 1%" RES0201 33.625,26.275 r270 bottom
R121 "3k3, 1%" RES0201 31.975,26.275 r270 bottom
R122 "3k3, 1%" RES0201 30.325,26.275 r270 bottom
R123 "3k3, 1%" RES0201 31.15,26.275 r270 bottom
R124 "3k3, 1%" RES0201 32.8,26.275 r270 bottom
R125 "3k3, 1%" RES0201 27.2,24.925 r0 bottom
R126 "3k3, 1%" RES0201 15.65,20.175 r270 bottom
R127 "3k3, 1%" RES0201 29.5,26.275 r270 bottom
R128 "10k, 1%" RES0201 7.775,6.9 r0 top
R129 "0R" RES0201 27.175,23.35 r270 top
R130 "0R" RES0201 26.65,24.625 r180 top
R131 "0R" RES0201 23.7,25.6 r180 bottom
R132 "330R, 1%" RES0201 0.425,23.999 r0 top
R133 "0R" RES0201 0.422,15.347 r180 top
R134 "47k, 1%" RES0201 0.449,15.1 r0 bottom
R135 "100k, 1%" RES0201 0.449,14.467 r0 bottom
R136 "0R" RES0201 0.45,13.1 r0 bottom
R137 "330R, 1%" RES0201 43.7,6.6 r90 bottom
R138 "0R" RES0201 0.45,10.881 r180 bottom
R139 "0R" RES0201 0.45,12.181 r0 bottom
R140 "10k, 1%" RES0201 12.055,21.625 r0 bottom
R141 "10k, 1%" RES0201 14.074,20.193 r270 bottom
R142 "0R" RES0201 0.45,13.75 r0 bottom
R143 "0R" RES0201 0.424,9.05 r180 top
R144 "0R" RES0201 0.447,11.533 r180 bottom
R145 "330R, 1%" RES0201 42.95,6.605 r90 bottom
R146 "0R" RES0201 0.425,6.872 r180 top
R147 "0R" RES0201 0.425,6.128 r180 top
R148 "10k, 1%" RES0201 14.074,23.068 r270 bottom
R149 "10k, 1%" RES0201 10.995,21.625 r180 bottom
R150 "100k, 1%" RES0201 0.183,26.53 r270 bottom
R151 "0R" RES0402#1 7.823,9.048 r90 top
R152 "0R" RES0201 6.575,17.45 r0 bottom
R153 "0R" RES0201 3.925,20.575 r180 bottom
R154 "0R" RES0201 2.95,14.725 r90 bottom
R155 "0R" RES0201 6.4,20.65 r90 bottom
R156 "0R" RES0201 25.85,20.825 r0 top
R157 "100k, 1%" RES0201 8.65,22.45 r90 bottom
R158 "100R, 1%" RES0201 5.455,4.885 r90 top
R159 "10k, 1%" RES0201 2.97,5.47 r0 top
R160 "0R" RES0201 7.875,0.85 r180 top
R161 "0R" RES0201 6.75,1.2 r0 top
R162 "0R" RES0201 10.7,20.3 r270 bottom
R163 "0R" RES0201 15.975,25.525 r180 top
R164 "10k, 1%" RES0201 4.805,5.135 r90 top
R165 "1k, 1%" RES0201 4.625,5.425 r180 bottom
R166 "0R" RES0201 15.975,24.875 r180 top
R167 "3k, 1%" RES0201 6.8,0.525 r180 top
R168 "12.7k, 1%" RES0201 6.175,5.155 r270 bottom
R169 "47R, 1%" RES0201 1.1,17.85 r0 top
R170 "0R" RES0201 15.18,23.15 r0 bottom
R171 "10R, 1%" RES0201 9.3,16.59 r270 top
R172 "1k, 1%" RES0201 7.8,13.575 r180 bottom
R173 "0R" RES0201 15.18,23.9 r0 bottom
R174 "1k, 1%" RES0201 1.475,14.1 r0 top
R175 "1k, 1%" RES0201 7.425,14.8 r90 bottom
R176 "47R, 1%" RES0201 20.9,25.675 r0 top
R177 "0R" RES0201 15.18,22.4 r0 bottom
R178 "470, 1%" RES0201 7.3,18.25 r270 top
R179 "47R, 1%" RES0201 0.425,14.6 r0 top
R180 "10k, 1%" RES0201 7.3,17.15 r90 top
R181 "330R, 1%" RES0201 8.375,19.2 r180 top
R182 "10k, 1%" RES0201 7.6,14.775 r0 top
R183 "47R, 1%" RES0201 2.82,13.45 r0 top
R184 "0R" RES0201 0.425,24.925 r0 top
R185 "47R, 1%" RES0201 7.6,13.275 r0 top
R186 "47R, 1%" RES0201 7.6,14.025 r0 top
R187 "0R" RES0201 29.35,25.625 r90 top
R188 "0R" RES0201 3.175,5.075 r180 bottom
R189 "5.6k, 1%" RES0201 2.624,4.367 r0 bottom
R190 "100R, 1%" RES0201 0.325,21.257 r90 top
R191 "0R" RES0201 0.695,20.187 r0 top
R192 "10k, 1%" RES0201 3.857,4.367 r0 bottom
R193 "0R" RES0201 1.2,19.35 r270 top
R194 "0R" RES0201 18.15,6.9 r90 top
R195 "7.5k, 1%" RES0201 18.8,8.295 r270 top
R196 "10k, 1%" RES0201 18.8,7.185 r270 top
R197 "3k3, 1%" RES0201 23.795,3.775 r0 top
R198 "47k, 1%" RES0201 23.65,2.02 r90 top
R199 "3k3, 1%" RES0201 23.795,3.05 r0 top
R200 "0R" RES0201 19.375,24.65 r0 top
R201 "12.7k, 1%" RES0201 20.145,23.5 r180 top
R202 "0R" RES0201 1.4,1.525 r270 bottom
R203 "10k, 1%" RES0201 18.635,23.475 r180 top
R204 "0R" RES0201 17.275,10.275 r0 top
R205 "0R" RES0201 29.425,23.05 r0 bottom
R206 "31.6k, 1%" RES0201 17.375,7.955 r90 top
R207 "0R" RES0201 30.6,23.05 r180 bottom
R208 "10k, 1%" RES0201 17.375,9.39 r90 top
R209 "3k3, 1%" RES0201 15.73,3.775 r180 top
R210 "3k3, 1%" RES0201 15.73,3.1 r180 top
R211 "3k3, 1%" RES0201 15.863,2.032 r90 top
R212 "3k3, 1%" RES0201 31.85,23.45 r0 bottom
R213 "4.7k, 1%" RES0201 31.85,22.7 r180 bottom
T1 "3600BL14M050" 3600BL14M050_balun_0603 41.451,20.05 r0 bottom